# Altium PCB PCB_EUROC_mk2_BGA.PcbDoc (part 2 of 3)
Units mm, origin at the board's own origin, x right, y up, seen from the top; angles counter-clockwise.
Board outline 90 x 100 mm, 4 copper layers (Top Layer, Ground Layer, VCC Layer, Bottom Layer), stack 1.586 mm thick; 139 components, 118 nets, 695 pads, 450 vias.
Unrouted connection lines stored in the file: 72.
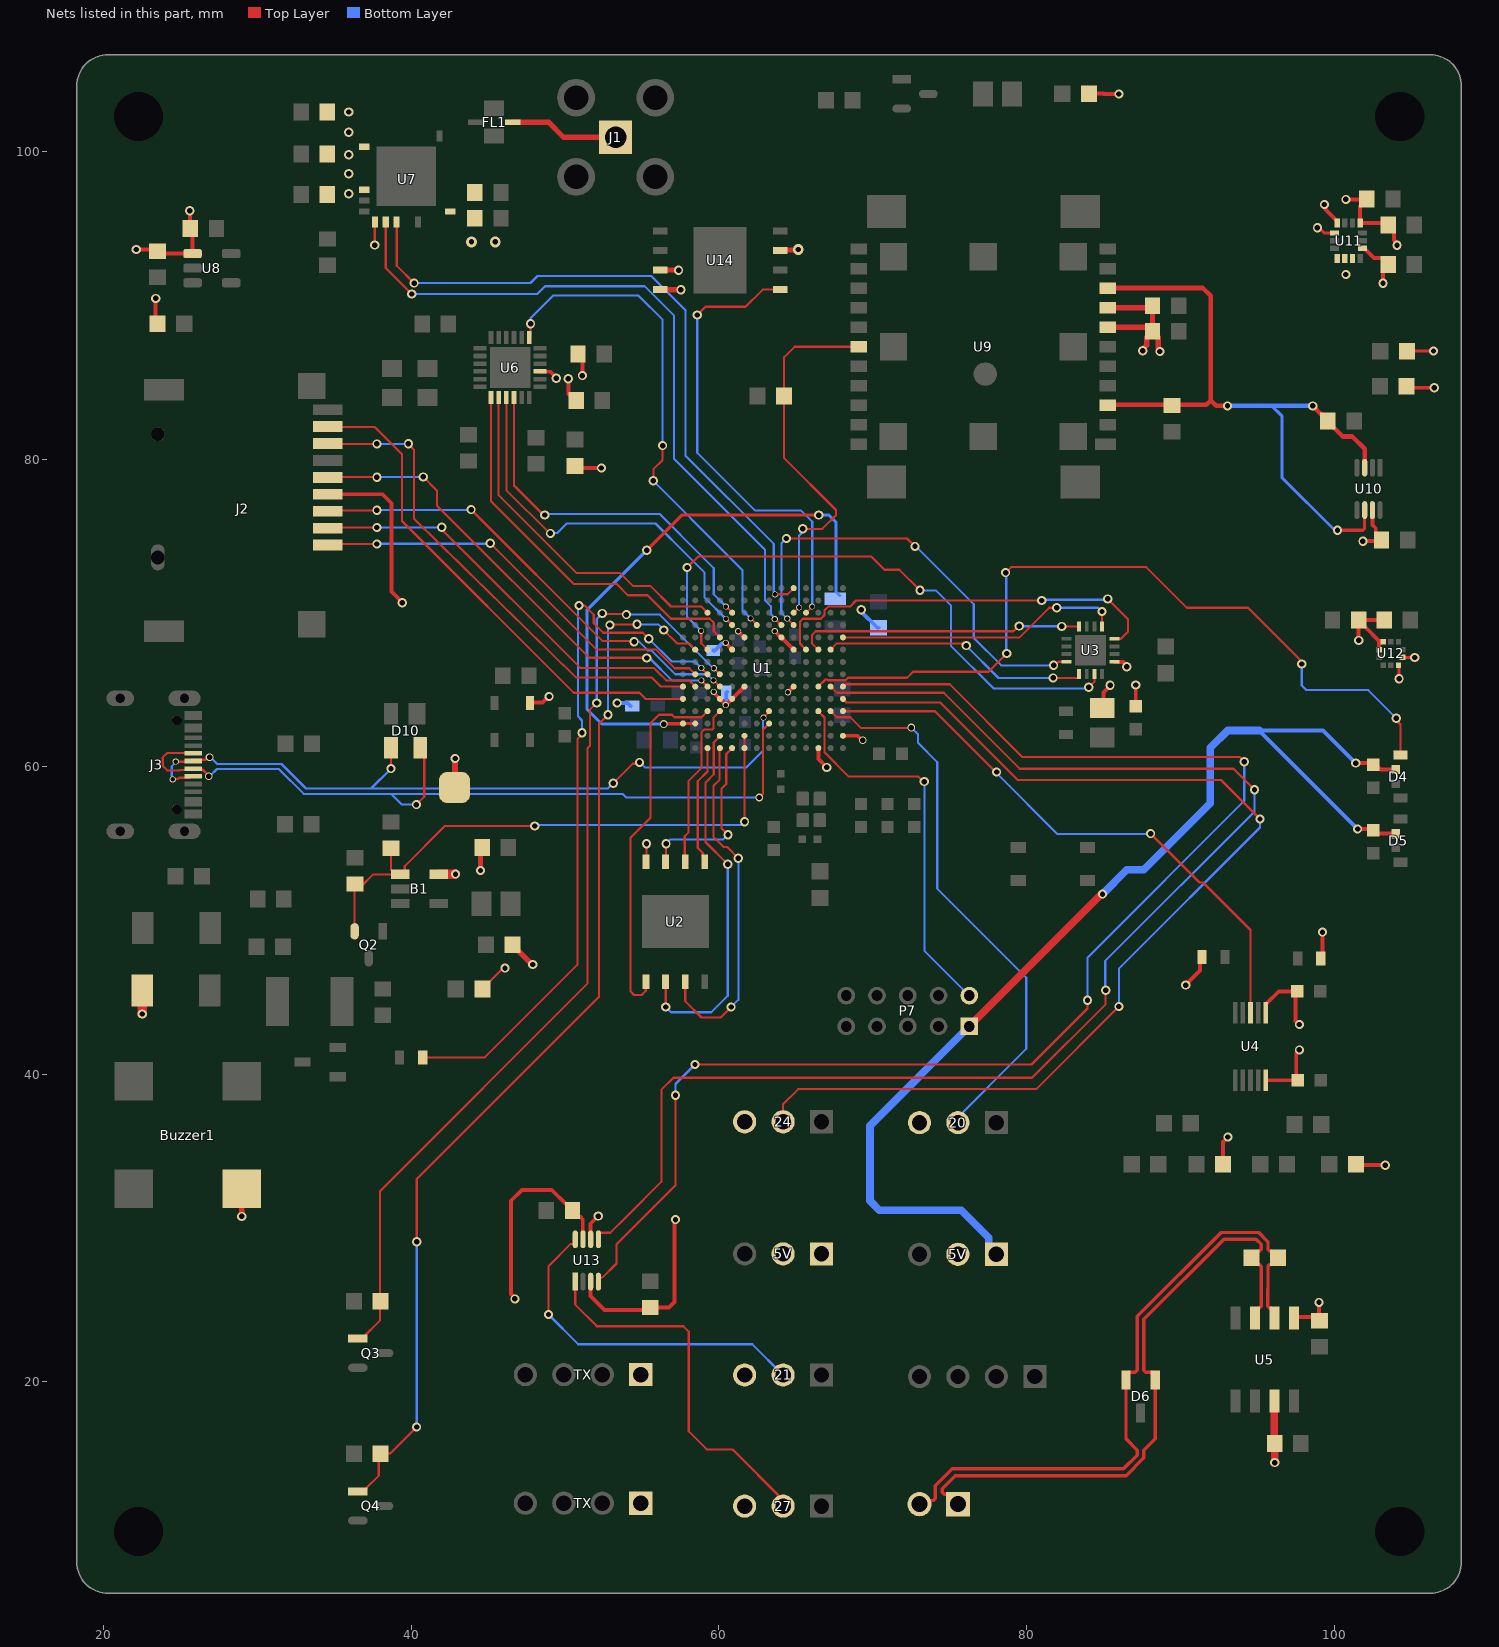
[diagram p4: the nets of this part, all layers, seen from the top]

## Part data
5V 5V: library part CMP-016-000017-4, "Header, 3-Pin", ASiD Part Number="Header 3-AS", Component Type=Standard, Design Item ID="Header 3", Pin Count=3, Source=PCB_Project1.SCHLIB
20 21 24 27: library part CMP-016-000017-2, "Header, 3-Pin", ASiD Part Number="Header 3-AS", Component Type=Standard, Design Item ID="Header 3", Pin Count=3, Source=PCB_Project1.SCHLIB
B1: library part CMP-087-000000-3, "LDO Voltage Regulators 1A Low-IQ Small-Size Low-Dropout (LDO) Regulator 5-SOT-23 -40 to 125", Manufacturer_Name="Texas Instruments", Mouser Part Number=595-TLV75733PDBVR, Arrow Part Number=TLV75733PDBVR, Arrow Price/Stock=https://www.arrow.com/en/products/tlv75733pdbvr/texas-instruments?region=nac, Datasheet Link=http://www.ti.com/lit/gpn/tlv757p, Design Item ID=TLV75733PDBVR, Geometry.Height=1.45mm, Manufacturer_Part_Number=TLV75733PDBVR, Mouser Price/Stock=https://www.mouser.co.uk/ProductDetail/Texas-Instruments/TLV75733PDBVR?qs=y6ZabgHbY%252BwAAzSntTW34w%3D%3D, Source=TLV75733PDBVR.SchLib
Buzzer1: library part CMP-00027-00000-2
C1 C2: library part CMP-001-01078-1, "WCAP-CSRF Multilayer Ceramic Chip Capacitor High Frequency, size 0402, NP0 Class I, 12pF, 50VDC", Capacitance Tolerance=+/-2%, Case/Package=0402, Insulation Resistance=10GOhm, Manufacturer="Wurth Elektronik", Operating Temperature Max=125°C, Operating Temperature Min=-55°C, Rated Voltage (DC)=50V, Category="Multilayer Ceramic Chip Capacitors", Ceramic Type="NP0 Class I", Component Type=Standard, ComponentLink1Description="Website Link", ComponentLink1URL=https://www.we-online.com/redexpert/article/885392005127?ad, ComponentLink2Description="Datasheet Link", ComponentLink2URL=https://www.we-online.com/redexpert/spec/885392005127?ad, Design Item ID=885392005127, Height=0.5mm, Length=1mm, Manufacturer Part Number=885392005127, Match Code=WCAP-CSRF, Mount="Surface Mount", Packaging="Tape and Reel", Pins=2, Q Factor=640, Source=WCAP-CSRF.SchLib, Technical Reference=NP00402120G050DFCT1R000, Width=0.5mm
C3 C4 C6 C9 C11 C16 C19 C21: library part CMP-001-00664-1, "WCAP-CSGP Multilayer Ceramic Chip Capacitor, General Purpose, size 0603, X7R, 220nF, 25VDC", Capacitance Tolerance=+/-10%, Case/Package=0603, Insulation Resistance=2.3GOhm, Manufacturer="Wurth Elektronik", Operating Temperature Max=125°C, Operating Temperature Min=-55°C, Rated Voltage (DC)=25V, Category="Multilayer Ceramic Chip Capacitors", Ceramic Type=X7R, Component Type=Standard, ComponentLink1Description="Website Link", ComponentLink1URL=https://www.we-online.com/redexpert/article/885012206073?ad, ComponentLink2Description="Datasheet Link", ComponentLink2URL=https://www.we-online.com/redexpert/spec/885012206073?ad, Design Item ID=885012206073, Dissipation Factor=3.5%, Height=0.8mm, Length=1.6mm, Manufacturer Part Number=885012206073, Match Code=WCAP-CSGP, Mount="Surface Mount", Packaging="Tape and Reel", Pins=2, Source=WCAP-CSGP.SchLib, Technical Reference=X7R0603224K025DFCT10000, Width=0.8mm
C5 C13: library part CMP-015-000000-1, "None polar capacitor", ASiD Part Number=C-AS, Volte=50v, Component Type=Standard, Design Item ID="Cap ceramic", Pin Count=2, Source=PCB_Project1.SCHLIB
C7 C25 C26 C27 C28 C29 C30 C31 C32 C33 C34 C35 C36 C37 C38 C39 C40 C41 C42 C43 C44 C45 C46 C47 C48 C49 C50 C51 C52 C53 C54 C55 C56: library part CMP-015-000000-1, "None polar capacitor", ASiD Part Number=C-AS, Component Type=Standard, Design Item ID="Cap ceramic", Pin Count=2, Source=PCB_Project1.SCHLIB
C8 C12 C18 C20: library part CMP-001-00440-1, "WCAP-CSGP Multilayer Ceramic Chip Capacitor, General Purpose, size 0603, X5R, 4.7uF, 10VDC", Capacitance Tolerance=+/-20%, Case/Package=0603, Insulation Resistance=0.02GOhm, Manufacturer="Wurth Elektronik", Operating Temperature Max=85°C, Operating Temperature Min=-55°C, Rated Voltage (DC)=10V, Category="Multilayer Ceramic Chip Capacitors", Ceramic Type=X5R, Component Type=Standard, ComponentLink1Description="Website Link", ComponentLink1URL=https://www.we-online.com/redexpert/article/885012106012?ad, ComponentLink2Description="Datasheet Link", ComponentLink2URL=https://www.we-online.com/redexpert/spec/885012106012?ad, Design Item ID=885012106012, Dissipation Factor=10%, Height=0.8mm, Length=1.6mm, Manufacturer Part Number=885012106012, Match Code=WCAP-CSGP, Mount="Surface Mount", Packaging="Tape and Reel", Pins=2, Source=WCAP-CSGP.SchLib, Technical Reference=X5R0603475M010DFCT10000, Width=0.8mm
C10: library part CMP-001-00655-1, "WCAP-CSGP Multilayer Ceramic Chip Capacitor, General Purpose, size 0603, X7R, 10nF, 25VDC", Capacitance Tolerance=+/-10%, Case/Package=0603, Insulation Resistance=10GOhm, Manufacturer="Wurth Elektronik", Operating Temperature Max=125°C, Operating Temperature Min=-55°C, Rated Voltage (DC)=25V, Category="Multilayer Ceramic Chip Capacitors", Ceramic Type=X7R, Component Type=Standard, ComponentLink1Description="Website Link", ComponentLink1URL=https://www.we-online.com/redexpert/article/885012206065?ad, ComponentLink2Description="Datasheet Link", ComponentLink2URL=https://www.we-online.com/redexpert/spec/885012206065?ad, Design Item ID=885012206065, Dissipation Factor=3.5%, Height=0.8mm, Length=1.6mm, Manufacturer Part Number=885012206065, Match Code=WCAP-CSGP, Mount="Surface Mount", Packaging="Tape and Reel", Pins=2, Source=WCAP-CSGP.SchLib, Technical Reference=X7R0603103K025DFCT10000, Width=0.8mm
C14 C15 C17 C22: library part CMP-001-00661-1, "WCAP-CSGP Multilayer Ceramic Chip Capacitor, General Purpose, size 0603, X7R, 100nF, 25VDC", Capacitance Tolerance=+/-10%, Case/Package=0603, Insulation Resistance=5GOhm, Manufacturer="Wurth Elektronik", Operating Temperature Max=125°C, Operating Temperature Min=-55°C, Rated Voltage (DC)=25V, Category="Multilayer Ceramic Chip Capacitors", Ceramic Type=X7R, Component Type=Standard, ComponentLink1Description="Website Link", ComponentLink1URL=https://www.we-online.com/redexpert/article/885012206071?ad, ComponentLink2Description="Datasheet Link", ComponentLink2URL=https://www.we-online.com/redexpert/spec/885012206071?ad, Design Item ID=885012206071, Dissipation Factor=3.5%, Height=0.8mm, Length=1.6mm, Manufacturer Part Number=885012206071, Match Code=WCAP-CSGP, Mount="Surface Mount", Packaging="Tape and Reel", Pins=2, Source=WCAP-CSGP.SchLib, Technical Reference=X7R0603104K025DFCT10000, Width=0.8mm
C23 C24: library part CMP-015-000000-1, "Capacitor, 100nF, 0603, 25V", Manufacturer="Wurth Elektronik", Manufacturer Part Number=885012206071, Voltage=25V
CAN_N: library part CMP-016-000011-2, "Header, 2-Pin", Manufacturer=JST, Manufacturer Part Number=XH-2P-M
D1 D9: library part LED, "Typical INFRARED GaAs LED", ASiD Part Number=LED-AS
D2 D3: library part CMP-100-000001-2, "BAT54HGW Schotty Diode", Component Type=Standard, Design Item ID=BAT54HGW, Pin Count=2, Source=BAT54W.SchLib
D4 D5: library part CMP-004-00012-1, "WL-ICLED Integrated Controller within LED, Side View 3210, 5.5mA", Case/Package="Side View 3210", Emitting Color="Green & Red & Blue", Frequency of the PWM=5kHz, IC Output Current=5.5mA, Manufacturer="Wurth Elektronik", Manufacturer Part Number=1313210530000, Operating Temperature Max=85°C, Operating Temperature Min=-40°C, Category="IC LEDs", Component Type=Standard, ComponentLink1Description="Website Link", ComponentLink1URL=https://www.we-online.com/redexpert/article/1313210530000?ad, ComponentLink2Description="Datasheet Link", ComponentLink2URL=https://www.we-online.com/redexpert/spec/1313210530000?ad, Design Item ID=1313210530000, Dominant Wavelength (Blue)=470nm, Dominant Wavelength (Green)=525nm, Dominant Wavelength (Red)=625nm, Height=1mm, Length=3.2mm, Luminous Intensity (Blue)=50mcd, Luminous Intensity (Green)=120mcd, Luminous Intensity (Red)=80mcd, Match Code=WL-ICLED, Mount="Surface Mount", Packaging="Tape and Reel", Peak Wavelength (Blue)=465nm, Peak Wavelength (Green)=520nm, Peak Wavelength (Red)=630nm, Pins=4, Source=WL-ICLED.SchLib, Viewing Angle=120°, Width=1.5mm
D6: library part CMP-004-00006-2, "Supresor de ESD / diodos TVS 27V CAN BUS Protection", Case/Package=None, Manufacturer=Onsemi, Manufacturer Part Number=NUP2105LT1G, Pins=3
D7 D8: library part CMP-004-00003-1, "PMEG3050EP-Q - 30 V, 5 A low VF MEGA Schottky barrier rectifier"
D10: library part CMP-004-00005-1, "Trans Voltage Suppressor Diode, 5.5V V(RWM), Unidirectional, 3 Element, Silicon, TO-253AA", Pins=4, RoHS Compliant=Yes
D11: library part CMP-019-000005-1, "Typical INFRARED GaAs LED", ASiD Part Number=LED-AS, Component Type=Standard, Design Item ID=LED, Pin Count=2, Source=PCB_Project1.SCHLIB
F1: library part CMP-043-000000-2, "Polymeric PTC Resettable Fuse 15V 500mA Ih Surface Mount 1812 (4532 Metric), Concave", Package="1812 Bourns", Availability=Good, Check_prices=https://www.snapeda.com/parts/MF-MSMF050-2/Bourns%20-%20J.W.%20Miller/view-part/42625/?ref=eda, Design Item ID=MF-MSMF050-2, MF=Bourns, MP=MF-MSMF050-2, Price=None, Purchase-URL=https://pricing.snapeda.com/search/part/MF-MSMF050-2/?ref=eda, SnapEDA_Link=https://www.snapeda.com/parts/MF-MSMF050-2/Bourns%20-%20J.W.%20Miller/view-part/42625/?ref=snap, Source=LEEM.SchLib
FL1: library part CMP-00025-00001-1, "Band Pass Filter", RoHS Compliant=Yes
J1: library part CMP-002-00007-2, "CONNSMAJACKR/A50OHMPCB"
J2: library part CMP-002-00279-1, "WR-CRD Micro SD Card Connector Push & Push", Contact Resistance=100mOhm, Manufacturer="Wurth Elektronik", Operating Temperature Max=85°C, Operating Temperature Min=-40°C, Rated Current=0.5A, Withstanding Voltage=500VAC, Working Voltage=30VAC, Category="Input/Output Connectors", Component Type=Standard, ComponentLink1Description="Website Link", ComponentLink1URL=https://www.we-online.com/redexpert/article/693071020811?ad, ComponentLink2Description="Datasheet Link", ComponentLink2URL=https://www.we-online.com/redexpert/spec/693071020811?ad, Design Item ID=693071020811, Gender=Socket, Manufacturer Part Number=693071020811, Match Code=WR-CRD, Mount="Surface Mount", Packaging="Tape and Reel", Pin Count=13, Pins=8, Source=WR-CRD.SchLib, Type="Push & Push"
J3: library part CMP-133-000027-1, "WR-COM USB 2.0 Type C Receptacle Horizontal SMT", Manufacturer="Wurth Elektronik", Operating Temperature Max=85°C, Operating Temperature Min=-40°C, Rated Current=5A, Working Voltage="20V (DC)", Application="USB 2.0", Category="Input/Output Connectors", Component Type=Standard, ComponentLink1Description="Website Link", ComponentLink1URL=https://www.we-online.com/redexpert/article/629722000214?ad, ComponentLink2Description="Datasheet Link", ComponentLink2URL=https://www.we-online.com/redexpert/spec/629722000214?ad, Design Item ID=629722000214, Gender=Receptacle, Interface Type="Type C", Manufacturer Part Number=629722000214, Match Code=WR-USB, Mount="Surface Mount", Number of Pins=16, Number of Ports=1, Orientation=Horizontal, Packaging="Tape and Reel", Pin Count=13, Source=WR-USB.SchLib
L1: library part CMP-006-00205-1, "WE-PMI SMT Power Multilayer Inductor, size 0805, 4.7µH, 0.85A, 312.5mO", Case/Package=0805, DC Resistance=312.5mO, Inductance=4.7µH, Inductance Tolerance=20%, Manufacturer="Wurth Elektronik", Operating Temperature Max=125°C, Operating Temperature Min=-40°C, Rated Current=0.85A, Saturation Current=0.25A, Self Resonant Frequency=30MHz, Category="Shielded Power Inductors", Component Type=Standard, ComponentLink1Description="Website Link", ComponentLink1URL=https://www.we-online.com/redexpert/article/74479775247?ad, ComponentLink2Description="Datasheet Link", ComponentLink2URL=https://www.we-online.com/redexpert/spec/74479775247?ad, Design Item ID=74479775247, Height=1mm, Length=2mm, Manufacturer Part Number=74479775247, Match Code=WE-PMI, Mount="Surface Mount", Packaging="Tape and Reel", Pins=2, Q Factor=25, Source=WE-PMI.SchLib, Type="Low RDC", Width=1.2mm
L2: library part CMP-006-00120-1, "WE-CBF SMT EMI Suppression Ferrite Bead, size 0603, 120Ohm, 2A", Case/Package=0603, DC Resistance Max=0.05Ohm, Manufacturer="Wurth Elektronik", Operating Temperature Max=125°C, Operating Temperature Min=-55°C, Rated Current=2A, Category="Ferrites for PCB Assembly", Component Type=Standard, ComponentLink1Description="Website Link", ComponentLink1URL=https://www.we-online.com/redexpert/article/742792625?ad, ComponentLink2Description="Datasheet Link", ComponentLink2URL=https://www.we-online.com/redexpert/spec/742792625?ad, Design Item ID=742792625, Height=0.8mm, Impedance @100MHz=120Ohm, Impedance Max=180Ohm, Impedance Max Test Condition=400MHz, Length=1.6mm, Manufacturer Part Number=742792625, Match Code=WE-CBF, Mount="Surface Mount", Packaging="Tape and Reel", Pins=2, Source=WE-CBF.SchLib, Type="High Current", Width=0.8mm
L3: library part CMP-021-000000-1, "Inductor", ASiD Part Number=Inductor-AS, Current=1A, Component Type=Standard, Design Item ID=Inductor, Pin Count=2, Source=PCB_Project1.SCHLIB
P7: library part CMP-002-00001-2, "Connector", Manufacturer_Name=Harwin, Mouser Part Number=855-M80-5001022, Datasheet Link=https://cdn.harwin.com/pdfs/M80-500.pdf, Design Item ID=M80-5001022, Height=5.6mm, Manufacturer_Part_Number=M80-5001022, Mouser Price/Stock=https://www.mouser.co.uk/ProductDetail/Harwin/M80-5001022?qs=Epf5S32jonjHqF%252BzRUQhDQ%3D%3D, Source=SamacSys.SchLib
PB1: library part CMP-010-000001-2, "Push Button", Component Type=Standard, Design Item ID="Push Button", Pin Count=2, Source=IFS_Altium.SchLib
Q1: library part CMP-013-00004-1, "Trans GP BJT NPN 45V 0.5A 500mW Automotive 3-Pin SOT-23 T/R", Case/Package=SOT, Max Operating Temperature=150°C, Pins=3, RoHS Compliant=Yes
Q2: library part CMP-013-00002-1, "P-Channel 20 V 52 mOhm Surface Mount Enhancement Mode Mosfet - SOT-23-3", Case/Package=SOT-23, Max Operating Temperature=150°C, Min Operating Temperature=-55°C, Mounting Technology="Surface Mount", Pins=3, RoHS Compliant=Yes
Q3 Q4: library part CMP-013-00010-1, "Power Field-Effect Transistor, 6.3A I(D), 20V, 0.021ohm, 1-Element, N-Channel, Silicon, Metal-oxide Semiconductor FET, TO-236AB", Max Operating Temperature=150°C, Pins=3, RoHS Compliant=Yes
Q5: library part CMP-013-00007-1, "Small Signal Field-Effect Transistor, 0.115A I(D), 60V, 1-Element, N-Channel, Silicon, Metal-oxide Semiconductor FET, TO-236"
R1 R3: library part R, "Resistor, generic"
R2: library part CMP-009-00390-1, "WRIS-RSKS Thick Film Resistor, size 0603, 470Ohm, 100mW", Case/Package=0603, Limiting Element Voltage=75V, Manufacturer="Wurth Elektronik", Operating Temperature Max=155°C, Operating Temperature Min=-55°C, Rated Power=100mW, Resistance Tolerance=+/-1%, Temperature Coefficient of Resistance Max=100ppm/°C, Temperature Coefficient of Resistance Min=-100ppm/°C, Category="Thick Film Resistors", Component Type=Standard, ComponentLink1Description="Website Link", ComponentLink1URL=https://www.we-online.com/redexpert/article/560112116067?ad, ComponentLink2Description="Datasheet Link", ComponentLink2URL=https://www.we-online.com/redexpert/spec/560112116067?ad, Design Item ID=560112116067, Height=0.45mm, Length=1.6mm, Manufacturer Part Number=560112116067, Match Code=WRIS-RSKS, Mount="Surface Mount", Packaging="Tape and Reel", Pins=2, Source=WRIS-RSKS.SchLib, Width=0.8mm
R4: library part CMP-009-00420-1, "WRIS-RSKS Thick Film Resistor, size 0603, 180Ohm, 100mW", Case/Package=0603, Limiting Element Voltage=75V, Manufacturer="Wurth Elektronik", Operating Temperature Max=155°C, Operating Temperature Min=-55°C, Rated Power=100mW, Resistance Tolerance=+/-5%, Temperature Coefficient of Resistance Max=100ppm/°C, Temperature Coefficient of Resistance Min=-100ppm/°C, Category="Thick Film Resistors", Component Type=Standard, ComponentLink1Description="Website Link", ComponentLink1URL=https://www.we-online.com/redexpert/article/560112116097?ad, ComponentLink2Description="Datasheet Link", ComponentLink2URL=https://www.we-online.com/redexpert/spec/560112116097?ad, Design Item ID=560112116097, Height=0.45mm, Length=1.6mm, Manufacturer Part Number=560112116097, Match Code=WRIS-RSKS, Mount="Surface Mount", Packaging="Tape and Reel", Pins=2, Source=WRIS-RSKS.SchLib, Width=0.8mm
R5 R9 R10 R12: library part CMP-009-000000-3, "Resistor, 600R, 0805, 0.5W", Manufacturer=Vishay, Manufacturer Part Number=CRCW0805600RFKEAHP, Power Disipation=0.5W
R6: library part CMP-009-000000-3, "Resistor, 120R, 0805, 0.5W", Manufacturer=Panasonic, Manufacturer Part Number=ERJ-P06F1200V, Power Disipation=0.25W
R7 R8: library part CMP-009-00361-1, "WRIS-RSKS Thick Film Resistor, size 0603, 1500Ohm, 100mW", Case/Package=0603, Limiting Element Voltage=75V, Manufacturer="Wurth Elektronik", Operating Temperature Max=155°C, Operating Temperature Min=-55°C, Rated Power=100mW, Resistance Tolerance=+/-1%, Temperature Coefficient of Resistance Max=100ppm/°C, Temperature Coefficient of Resistance Min=-100ppm/°C, Category="Thick Film Resistors", Component Type=Standard, ComponentLink1Description="Website Link", ComponentLink1URL=https://www.we-online.com/redexpert/article/560112116038?ad, ComponentLink2Description="Datasheet Link", ComponentLink2URL=https://www.we-online.com/redexpert/spec/560112116038?ad, Design Item ID=560112116038, Height=0.45mm, Length=1.6mm, Manufacturer Part Number=560112116038, Match Code=WRIS-RSKS, Mount="Surface Mount", Packaging="Tape and Reel", Pins=2, Source=WRIS-RSKS.SchLib, Width=0.8mm
R11 R13 R20 R21: library part CMP-009-000000-3, "Resistor, generic", Manufacturer=Panasonic, Manufacturer Part Number=ERJ-P06F1200V, Power Disipation=0.25W
R14 R15 R16 R17 R18 R19 R22 R23 R24 R25 R26 R27 R28: library part CMP-009-000000-6, "Resistor, generic", Component Type=Standard, Design Item ID=R, Pin Count=2, Source=Resistors.SchLib
SDA_P: library part CMP-016-000019-3, "Header, 4-Pin", ASiD Part Number="Header 4-AS", Component Type=Standard, Design Item ID="Header 4", Pin Count=4, Source=PCB_Project1.SCHLIB
TP1: library part CMP-028-000000-1, "Test point", ASiD Part Number="Test Point-AS", Component Type="Standard (No BOM)", Design Item ID="Test Point", Pin Count=1, Source=PCB_Project1.SCHLIB
TX TX: library part CMP-016-000019-4, "Header, 4-Pin", ASiD Part Number="Header 4-AS", Component Type=Standard, Design Item ID="Header 4", Pin Count=4, Source=PCB_Project1.SCHLIB
U1: library part CMP-072-000002-2, "IC MCU 32BIT EXT MEM 196MAPBGA", Manufacturer_Name=NXP, Mouser Part Number=771-MIMXRT1062DVJ6B, Arrow Part Number=MIMXRT1062DVJ6B, Arrow Price/Stock=https://www.arrow.com/en/products/mimxrt1062dvj6b/nxp-semiconductors?region=nac, Datasheet Link=https://www.nxp.com/docs/en/nxp/data-sheets/IMXRT1060CEC.pdf, Design Item ID=MIMXRT1062DVJ6B, Geometry.Height=1.52mm, Manufacturer_Part_Number=MIMXRT1062DVJ6B, Mouser Price/Stock=https://www.mouser.co.uk/ProductDetail/NXP-Semiconductors/MIMXRT1062DVJ6B?qs=BJlw7L4Cy7%252B08A9rbTO5WQ%3D%3D, Source=MIMXRT1062DVJ6B.SchLib
U2 U14: library part CMP-078-000000-4, "NOR Flash spiFlash, 64M-bit, DTR, 4Kb Uniform Sector", Arrow Part Number="W25Q64JVXGIM TR", Manufacturer_Name=Winbond, Mouser Part Number=454-W25Q64JVXGIMTR, Arrow Price/Stock=https://www.arrow.com/en/products/w25q64jvxgim-tr/winbond-electronics?region=nac, Datasheet Link=https://www.winbond.com/resource-files/w25q64jv_dtr%20revj%2003272018%20plus.pdf, Design Item ID=W25Q64JVXGIM_TR, Geometry.Height=0.5mm, Manufacturer_Part_Number="W25Q64JVXGIM TR", Mouser Price/Stock=https://www.mouser.co.uk/ProductDetail/Winbond/W25Q64JVXGIM-TR?qs=qSfuJ%252Bfl%2Fd5DYf7S8uijYQ%3D%3D, Source=W25Q64JVXGIM_TR.SchLib
U3: library part CMP-068-000000-2, "ARMÂ®CortexÂ®-M0+ Kinetis KL02å¾®æŽ§åˆ¶å™¨IC 32ä½48MHz 32KBï¼ˆ32K x 8ï¼‰é—ªå­˜16-QFNï¼ˆ3x3ï¼‰", Package="QFN-16 NXP Semiconductors", Availability=Unavailable, Component Type=Standard, Design Item ID=MKL02Z32VFG4, MF="NXP USA", MP=MKL02Z32VFG4, Pin Count=17, Price=None, SnapEDA_Link=https://www.snapeda.com/parts/MKL02Z32VFG4/NXP%20USA%20Inc./view-part/492537/?ref=snap, Source=SnapEDAsch.SchLib
U4: library part CMP-00024-00001-1, "2 Channel  I2C-busbuffer", Manufacturer="NXP Semiconductors", Manufacturer Part Number=PCA9615DPZ
U5: library part CMP-00024-00000-3, "Interfaz CI CAN CAN FD Transceiver with Silent Mode", Manufacturer="Microchip Technology", Manufacturer Part Number=MCP2558FD-H/SN
U6: library part CMP-00025-00000-6, "Telecom Circuit", RoHS Compliant=Yes
U7: library part CMP-014-00003-3, "RF and Baseband Circuit", Case/Package=QCCN, Max Operating Temperature=85°C, Min Operating Temperature=-40°C, Nominal Supply Voltage=3.3V, Channels=1, Pins=28, RoHS Compliant=Yes
U8: library part CMP-012-00003-1, "300-mA, ultra-low-noise, low-IQ, low-dropout (LDO) linear regulator with high PSRR 5-SOT-23 -40 to 125"
U9: library part CMP-00025-00002-3, "GPSS, Galileo, Beidou & Glonass Rohs Compliant: Yes"
U10 U13: library part CMP-016-00000-1, "Interface Circuit, PDSO8", Case/Package=VSSOP, Max Operating Temperature=85°C, Max Supply Voltage=3.6V, Min Operating Temperature=-40°C, Min Supply Voltage=1.2V, Nominal Supply Voltage=1.5V, Pins=8, RoHS Compliant=Yes
U11: library part CMP-010-00001-1, "WSEN-ISDS IMU 6-axis (Inertial measurement unit)"
U12: library part CMP-010-00002-1, "Piezoresistive Sensor, Absolute pressure sensor", RoHS Compliant=Yes
Y1: library part CMP-003-00028-1, "Crystal, 24 MHz, +/- 10 ppm, -20 to 75 degC, 4-Pin SMD, RoHS, Tape and Reel", Case/Package=SMD/SMT, Load Capacitance=12pF, Max Operating Temperature=75°C, Min Operating Temperature=-20°C, ESR=80, Frequency=24MHz, Mounting Technology=SMT, Pins=4, RoHS Compliant=Yes
Y2: library part CMP-003-00000-1, "Crystals 52.000 MHz 12 pF ECS-33B +/-7/15 ppm -40 - +85C +/-1 ppm Aging 3225 4-SMD RoHS"

## Free pads (board coordinates)
  round 1.524 hole 3.2: 2(22.262,10.273) 2(22.262,102.273) 2(104.262,10.273) 2(104.262,102.273)

## Via types
v1: diameter 0.6, hole 0.35, Top Layer to Bottom Layer, 294 vias
v2: diameter 0.6, hole 0.4, Top Layer to Bottom Layer, 60 vias
v3: diameter 0.4, hole 0.3, Top Layer to Bottom Layer, 58 vias
v4: diameter 0.7, hole 0.35, Top Layer to Bottom Layer, 18 vias
v5: diameter 0.5, hole 0.35, Top Layer to Bottom Layer, 15 vias
v6: diameter 0.35, hole 0.25, Top Layer to Bottom Layer, 5 vias

## Nets (pads, with @x,y where several pads share a name; then routed paths per layer and width w, separated by ;. In a path a pad name is that pad's centre, name@x,y a point inside that pad or via, vN(x,y) a via of type N, cw(c..) or ccw(c..) an arc to the next point about the centre after c; other vN are vias at no path point)
1V8: C45.2 C47.2 U9.3 U9.9 U10.3 U10.6 | length 46.4
  Top Layer w0.2: v1(100.218,75.372) 101.864,75.372 101.981,75.489 U10.6@101.981,76.683
  Top Layer w0.3: U9.9@85.415,91.116 91.459,91.116 91.97,90.605 91.97,83.805 ; U9.3@85.416,83.496 85.442,83.521 91.686,83.521 91.97,83.805 ; C47.2@89.197,83.445 C47.2@89.35,83.445 ; C47.2@89.197,83.47 C47.2@89.481,83.754 ; v1(93.066,83.452) 92.329,83.452 91.977,83.805 91.97,83.805 ; v1(98.61,83.452) 99.142,82.921 99.192,82.921 99.592,82.521 C45.2@99.592,82.471 99.592,82.421 100.547,81.466 101.173,81.466 101.981,80.657 U10.3@101.981,79.434
  Bottom Layer w0.2: 95.838,83.452 95.948,83.452 96.596,82.804 96.596,78.802 99.95,75.449 100.141,75.449 v1(100.218,75.372)
  Bottom Layer w0.3: v1(93.066,83.452) 95.838,83.452 ; 95.948,83.452 v1(98.61,83.452)
2: Q4.1 R21.1 U1.F2 | length 70.6
  Top Layer w0.14: Q4.1@36.524,12.886 36.895,12.886 37.091,13.082 37.091,13.113 37.889,13.912 R21.1@37.889,15.545 ; R21.1@37.864,15.342 37.864,15.764 R21.1@37.873,15.773 ; R21.1@37.898,15.342 38.621,15.342 v1(40.348,17.069) ; v1(40.361,29.108) 40.361,33.193 52.194,45.026 52.194,62.775 v1(52.792,63.374) ; v1(52.915,69.213) 52.935,69.233 54.656,69.233 v1(54.676,69.253) ; v1(56.419,68.882) 56.419,68.872 57.278,68.013 58.056,68.013 U1.F2@58.462,67.607
  Bottom Layer w0.14: v1(40.348,17.069) 40.354,17.075 40.354,29.102 v1(40.361,29.108) ; v1(52.792,63.374) 52.792,69.009 52.915,69.132 v1(52.915,69.213) ; v1(54.676,69.253) 56.048,69.253 v1(56.419,68.882)
5: R4.1 U1.H3 | length 46.5
  Top Layer w0.14: R4.1@40.992,41.103 44.786,41.103 50.8,47.117 50.8,61.791 51.101,62.092 v1(51.101,62.21) ; v1(50.906,70.481) 51.271,70.481 51.868,69.885 51.868,69.322 52.481,68.709 55.053,68.709 v1(55.445,68.317) ; v3(58.855,66.411) 58.857,66.411 U1.H3@59.262,66.007 U1.H3@59.262,66.007
  Bottom Layer w0.14: v1(50.906,70.481) 50.849,70.424 50.849,70.285 50.836,70.273 50.836,63.269 51.101,63.004 v1(51.101,62.21) ; v1(55.445,68.317) 56.929,66.833 58.433,66.833 v3(58.855,66.411)
17: D4.4 U1.J12 | length 51.9
  Top Layer w0.14: U1.J12@66.462,65.207 66.925,65.671 67.041,65.671 67.099,65.613 68.225,65.613 68.395,65.784 72.238,65.784 72.62,66.167 77.521,66.167 v1(78.714,67.359) ; v1(78.638,72.619) 78.648,72.619 79.004,72.974 87.782,72.974 90.424,70.333 94.397,70.333 97.892,66.838 v1@97.892,66.726 ; D4.4@103.935,60.989 104.165,60.759 D4.4@104.315,60.759 104.315,62.743 104.038,63.02 v1(104.038,63.144)
  Bottom Layer w0.14: v1(78.638,72.619) 78.676,72.581 78.676,67.397 v1(78.714,67.359) ; v1(97.892,66.675) 97.892,65.278 98.196,64.973 102.21,64.973 v1(104.038,63.144)
20: 20.2 U1.L13 | length 36.6
  Top Layer w0.14: U1.L13@67.262,63.607 67.653,63.216 67.896,63.216 67.899,63.213 68.225,63.213 68.227,63.216 68.536,63.216 69.246,62.506 72.479,62.506 v5(72.514,62.541)
  Bottom Layer w0.14: v5(72.514,62.541) 72.945,62.109 72.945,61.545 74.193,60.297 74.193,52.072 79.981,46.285 79.981,41.662 75.181,36.861 20.2@75.181,36.963
21: U1.J13 U13.5 | length 90.8
  Top Layer w0.14: U13.5@52.264,29.692 52.272,29.7 52.942,29.7 54.025,30.783 56.26,33.018 56.26,33.455 ; 56.26,33.476 56.26,38.987 57.048,39.775 80.355,39.775 85.141,44.561 v1(85.141,45.465) ; U1.J13@67.262,65.207 67.669,64.801 74.622,64.801 79.562,59.862 93.455,59.862 v1(94.815,58.502)
  Bottom Layer w0.14: v1(85.141,45.465) 85.112,45.494 85.112,47.377 94.815,57.08 v1(94.815,58.502)
"21 5V": 21.2 U13.8 | length 22.6
  Top Layer w0.14: v1(48.92,24.384) 48.92,27.533 50.367,28.979 50.572,28.979 50.663,29.07 U13.8@50.663,29.275
  Bottom Layer w0.14: v1(48.92,24.384) 50.851,22.454 62.171,22.454 21.2@64.172,20.453
24: 24.2 U1.K14 | length 71.9
  Top Layer w0.14: 24.2@64.172,36.912 64.172,38.06 65.15,39.038 80.634,39.038 v1(86.001,44.405) ; U1.K14@68.062,64.407 68.292,64.177 74.383,64.177 79.428,59.131 92.641,59.131 v1(95.176,56.597)
  Bottom Layer w0.14: v1(86.001,44.405) 86.001,46.869 95.176,56.043 v1(95.176,56.597)
25: U1.L14 U4.3 | length 37.8
  Top Layer w0.14: U1.L14@68.062,63.607 74.042,63.607 77.999,59.651 v1(78.054,59.651) ; v1(88.062,55.651) 91.24,52.473 91.471,52.473 94.561,49.383 U4.3@94.561,44.014
  Bottom Layer w0.14: v1(78.054,59.651) 78.054,59.565 81.994,55.626 88.036,55.626 v1(88.062,55.651)
27: U1.J14 U13.4 | length 92.3
  Top Layer w0.14: U13.4@52.163,26.523 52.163,26.674 52.272,26.783 52.423,26.783 53.346,27.706 53.346,28.96 57.175,32.789 v1(57.175,38.632) ; v1(58.445,40.638) 80.32,40.638 83.959,44.278 v1(83.959,44.818) ; U1.J14@68.062,65.207 68.131,65.207 68.277,65.354 75.004,65.354 79.73,60.628 93.852,60.628 v1(94.157,60.323)
  Bottom Layer w0.14: v1(57.175,38.632) 57.175,39.368 v1(58.445,40.638) ; v1(83.959,44.818) 83.959,47.587 94.157,57.784 v1(94.157,60.323)
"27 5V": 27.2 U13.1 | length 24.5
  Top Layer w0.14: U13.1@50.663,26.523 50.663,25.027 52.069,23.62 ; 52.052,23.62 57.683,23.62 58.038,23.265 58.038,16.788 59.207,15.619 60.883,15.619 64.172,12.331 27.2@64.172,11.931
28: U1.D5 U6.9 | length 25.8
  Top Layer w0.14: U6.9@46.182,83.996 46.182,77.979 48.994,75.167 v1(49.047,75.167) ; v3(60.459,69.604) 60.465,69.604 U1.D5@60.862,69.207
  Bottom Layer w0.14: v1(49.047,75.167) 49.06,75.18 49.475,75.18 50.101,75.806 55.879,75.806 57.999,73.686 59.055,72.63 59.055,71.008 v3(60.459,69.604)
29: U1.C5 U6.10 | length 24.4
  Top Layer w0.14: U6.10@46.682,83.996 46.682,78.28 48.597,76.364 v1(48.677,76.364) ; v3@60.459,70.407 60.859,70.007 U1.C5@60.862,70.007
  Bottom Layer w0.14: v1(48.677,76.364) 48.749,76.437 56.133,76.437 58.883,73.686 59.661,72.908 59.661,71.202 v3(60.456,70.407)
30: U1.E4 U6.7 | length 25.6
  Top Layer w0.14: U6.7@45.182,83.996 45.182,77.26 50.568,71.873 53.356,71.873 54.084,71.146 55.356,71.146 56.888,69.613 59.413,69.613 59.656,69.371 59.656,69.342 59.662,69.336 59.662,68.807 60.052,68.417 60.062,68.417 U1.E4@60.062,68.407
31: U1.C3 U6.8 | length 23.1
  Top Layer w0.14: U6.8@45.682,83.996 45.682,77.648 50.731,72.599 53.563,72.599 54.406,71.756 55.534,71.756 56.883,70.407 58.862,70.407 U1.C3@59.262,70.007
32: R28.1 U1.C10 U9.17 | length 25
  Top Layer w0.14: U1.C10@64.868,70.007 64.868,70.013 64.875,70.013 65.209,70.347 v3(65.216,70.347) ; v1(65.455,75.462) 66.724,75.462 67.615,76.352 67.615,76.683 64.237,80.06 R28.1@64.237,84.098 64.237,86.615 64.923,87.3 U9.17@69.09,87.3
  Bottom Layer w0.14: v3(65.216,70.347) 65.216,75.033 65.367,75.184 65.367,75.374 v1(65.455,75.462)
33: Q3.1 R20.1 U1.H4 | length 63.3
  Top Layer w0.14: Q3.1@36.372,22.825 36.792,22.825 37.973,24.006 37.973,32.42 51.466,45.912 51.466,61.219 51.609,61.363 51.609,63.697 v1(52.054,64.142) ; v1(52.419,69.964) 52.459,69.924 53.945,69.924 v1(53.985,69.885) ; v3(59.674,66.401) 59.674,66.398 60.062,66.011 U1.H4@60.062,66.007
  Bottom Layer w0.14: v1(52.054,64.142) 52.054,69.6 v1(52.419,69.964) ; v1(53.985,69.885) 56.151,69.885 59.634,66.401 v3(59.674,66.401)
40: P7.6 U1.L12 | length 25.2
  Top Layer w0.14: U1.L12@66.462,63.607 66.462,63.601 66.862,63.2 66.862,60.927 68.439,59.351 72.955,59.351 73.277,59.03 v1(73.355,59.03)
  Bottom Layer w0.14: v1(73.355,59.03) 73.355,48.039 P7.6@76.278,45.116
+3V3: 5V.2 20.3 24.3 C14.2 C15.2 C24.2 C33.1 C35.1 C37.2 C38.2 C39.2 C40.2 C41.2 C42.2 C44.1 C46.2 C48.1 C49.1 C50.1 C51.1 C52.1 C53.1 C54.1 C56.2 R5.1 R7.1 R8.1 R10.1 R22.1 R23.2 R24.1 R26.1 R27.1 U4.1 U4.10 U5.5 U6.15 U7.1 U7.8 U7.22 U7.26 U8.1 U9.7 U9.8 U10.7 U11.1 U11.2 U11.3 U11.5 U11.8 U11.11 U11.12 U12.1 U12.5 U12.6 U12.10 U13.3 U13.6 U14.3 U14.7 U14.8 | length 93.1
  Top Layer w0.1: U7.1@37.626,95.39 U7.1@37.638,95.402
  Top Layer w0.15: v1(37.626,93.907) U7.1@37.626,95.39
  Top Layer w0.2: U14.3@63.688,93.565 U14.3@63.713,93.59 ; v4@65.118,93.59 v4(65.15,93.623) ; v1(98.909,95.031) 99.017,95.031 99.353,94.695 100.021,94.695 U11.12@100.025,94.691 ; U12.5@104.183,66.599 104.199,66.582 104.199,65.725 v1(104.216,65.708) ; U12.6@104.443,67.109 105.225,67.109 v1(105.24,67.094) ; R26.1@104.7,84.735 104.802,84.633 v1(106.501,84.633) ; R27.1@104.726,86.995 104.751,87.02 v1(106.451,87.02)
  Top Layer w0.254: v1(22.123,93.619) C42.2@23.494,93.619 ; R23.2@23.37,88.796 23.37,90.423 v1@23.389,90.442 ; C42.2@23.494,93.519 23.656,93.358 25.776,93.358 25.782,93.363 25.782,94.989 25.602,95.168 v1(25.602,96.137) ; U6.15@48.382,85.696 48.405,85.673 48.8,85.673 49.04,85.673 49.425,85.288 v1(49.425,85.248) ; v1(50.212,85.223) 50.212,84.223 C35.1@50.623,83.812 ; R22.1@50.644,79.413 50.649,79.418 v1(52.361,79.418) ; C33.1@50.736,86.823 51.127,86.432 v1(51.127,85.426) ; U13.3@51.663,26.486 51.663,25.591 52.567,24.687 55.383,24.687 C56.2@55.535,24.84 56.768,24.84 57.124,25.195 57.124,30.504 v1(57.175,30.555) ; U13.6@51.663,29.275 51.663,30.283 v1(52.163,30.783) ; R24.1@84.049,103.757 84.056,103.75 84.998,103.75 85.016,103.732 v1(86.004,103.732) ; v1(90.344,45.802) 91.283,46.74 R8.1@91.283,47.631 ; R10.1@92.77,34.146 92.77,35.603 v1(93.088,35.921) ; U4.10@95.561,39.614 97.533,39.614 97.533,41.383 v1(97.736,41.586) ; U4.1@95.561,44.014 95.561,44.564 96.392,45.396 97.495,45.396 97.495,43.477 v1(97.736,43.237) ; U5.5@97.38,24.151 97.45,24.221 C24.2@99.091,24.221 ; C24.2@99.009,24.206 v1(99.009,25.171) ; R7.1@99.24,47.524 v1(99.24,49.245) ; v1(99.365,96.545) 99.431,96.479 99.431,96.223 100.188,95.466 U11.11@100.188,95.354 ; v1(100.762,96.876) 102.097,96.876 102.122,96.851 101.688,96.417 U11.8@101.688,95.354 C51.1@103.503,95.354 ; R5.1@101.407,34.093 v1(103.324,34.093) ; v1(101.589,68.207) C53.1@101.589,69.528 ; U11.5@101.851,93.691 101.963,93.691 102.597,93.057 103.13,93.057 103.503,92.684 C50.1@103.503,92.634 103.175,92.306 v1(103.175,91.424) ; v1(101.864,74.661) 103.008,74.661 C46.2@103.073,74.725 102.7,75.098 102.7,75.503 102.481,75.721 U10.7@102.481,76.683 ; U12.1@102.923,67.609 102.923,68.165 ; U12.10@103.183,68.119 103.137,68.165 102.923,68.165 ; C54.1@103.255,69.528 C53.1@101.589,69.528 ; C51.1@103.503,95.225 103.876,94.852 103.876,94.247 104.083,94.04 v1@104.083,93.947 ; C53.1@101.589,69.528 101.589,69.478 101.962,69.105 101.983,69.105 102.923,68.165
  Top Layer w0.35: U14.8@56.18,91.018 56.185,91.013 57.526,91.013 v1(57.531,91.008) ; U14.7@56.283,92.288 57.369,92.288 v1(57.379,92.278) ; U14.3@63.713,93.59 v4@65.118,93.59 ; U9.7@85.29,88.57 87.924,88.57 C49.1@88.187,88.307 ; U9.8@85.29,89.84 88.061,89.84 C48.1@88.187,89.967 C49.1@88.187,88.307 ; v1(87.554,87.046) 87.554,87.139 87.814,87.4 87.814,87.934 C49.1@88.187,88.307 ; v1(88.671,86.994) 88.671,87.088 88.56,87.198 88.56,87.934 C49.1@88.187,88.307
  other v1: 23.394,90.442 100.762,91.999 104.083,93.897 35.935,97.249 35.935,98.544 35.935,99.785 35.935,101.242 35.935,102.558
  other v4: 43.916,94.117 45.455,94.117
+3V3T: B1.5 C3.1 C28.1 C29.1 C30.1 C31.1 D1.A D2.A J2.4 L2.2 R16.2 R17.1 TP1.1 U1.E6 U1.E9 U1.F5 U1.F10 U1.J6 U1.J10 U1.K4 U1.K5 U1.N14 U1.P12 U2.8 U3.1 | length 39.6
  Top Layer w0.14: U2.8@55.242,53.794 55.282,53.835 55.282,54.978 v1(55.295,54.99)
  Top Layer w0.15: R17.1@44.761,45.659 44.761,45.698 45.88,46.817 46.005,46.817 v1(46.091,46.903)
  Top Layer w0.25: J2.4@34.572,77.707 38.127,77.707 38.707,77.127 38.707,71.376 v1(39.421,70.663) ; B1.5@41.785,53 B1.5@41.793,53.008
  Top Layer w0.254: D2.A@47.718,64.144 47.819,64.144 47.841,64.167 48.534,64.167 48.929,64.562 v1(48.96,64.562) ; v3(59.667,64.863) 59.695,64.835 59.695,64.775 U1.K4@60.062,64.407 60.062,64.39 v3(60.446,64.005) ; v3(60.442,68.046) 60.442,68.037 60.862,67.617 U1.F5@60.862,67.607 ; v3@60.453,64.005 U1.K5@60.84,64.392 ; U1.K5@60.862,64.407 U1.J6@61.662,65.207 ; v3(61.249,68.807) 61.649,68.407 U1.E6@61.662,68.407 ; v3(63.63,68.814) 63.63,68.805 U1.E9@64.027,68.407 ; U1.E9@64.062,68.407 64.656,67.814 64.656,67.804 64.852,67.607 U1.F10@64.862,67.607 ; v3(64.483,64.835) 64.486,64.835 64.858,65.207 U1.J10@64.862,65.207 ; U1.P12@66.462,61.201 66.462,60.497 v1(67.008,59.951) ; U1.N14@68.062,62.007 69.014,62.007 69.307,61.715 v5(69.346,61.715) ; D1.A@84.911,63.803 85.011,63.903 85.011,64.834 85.43,65.253 v1(85.43,65.301) ; U3.1@85.708,66.817 86.298,66.817 86.487,66.629 86.487,66.524 v1(86.515,66.496) ; C3.1@87.101,64.036 v1(87.101,65.31)
  Top Layer w0.35: v1(44.503,53.248) 44.503,54.735 C28.1@44.504,54.737 ; R16.2@46.782,48.456 46.782,48.203 47.842,47.142 v1(47.904,47.142)
  Top Layer w0.4: TP1.1@42.813,58.644 42.85,58.681 v1(42.85,60.528)
  Top Layer w0.6: B1.5@41.793,53.008 42.864,53.008 v1(42.872,53.016)
  Bottom Layer w0.25: C29.1@59.634,67.556 59.734,67.556 60.196,68.018 60.413,68.018 v3(60.442,68.046)
  Bottom Layer w0.254: v1(53.378,64.142) 54.05,64.142 L2.2@54.24,63.953 ; v3(59.667,64.863) v3@59.674,64.856 ; v3(60.446,64.005) 60.474,64.033 60.474,64.821 C31.1@60.52,64.867 ; v1(69.248,70.203) 69.315,70.137 69.315,70.032 70.318,69.029 C30.1@70.368,69.029
+5V: 5V.1 21.3 27.3 Buzzer1.P C17.1 C22.1 C23.2 C55.2 D4.3 D5.3 D7.1 P7.1 TX.1 U5.3 U13.7 | length 95.5
  Top Layer w0.254: v1(46.736,25.4) 46.736,25.471 46.485,25.722 46.485,31.782 47.19,32.487 49.135,32.487 50.059,31.563 50.109,31.563 50.482,31.19 50.482,31.09 50.855,30.717 50.998,30.717 51.147,30.569 51.147,29.291 U13.7@51.163,29.275 ; v1(101.396,60.235) 102.539,60.235 102.589,60.235 103.014,59.809 D4.3@103.99,59.809 ; v1(101.523,55.948) 102.223,55.948 102.371,55.8 102.539,55.967 102.863,55.644 D5.3@103.99,55.644
  Top Layer w0.35: v1(28.973,30.765) Buzzer1.P@28.973,32.548
  Top Layer w0.5: P7.1@76.278,43.116 84.857,51.695 84.918,51.695 v1(84.938,51.714) ; C23.2@96.11,16.046 U5.3@96.11,18.751 ; C23.2@96.127,16.002 96.133,15.996 96.133,14.763 v1(96.139,14.757)
  Top Layer w0.6: v1(22.511,43.922) D7.1@22.511,45.446
  Bottom Layer w0.254: v1(101.396,60.235) 99.282,62.349 95.122,62.349 v1(101.523,55.948)
  Bottom Layer w0.5: P7.1@76.278,43.116 69.824,36.662 69.824,31.774 70.433,31.164 75.742,31.164 77.538,29.368 77.538,28.803 5V.1@78.04,28.301 ; v1(84.938,51.714) 86.512,53.289 87.621,53.289 91.945,57.613 91.945,61.22 93.074,62.349 95.122,62.349
+5VT: B1.1 C26.1 C27.1 Q2.2 U1.N6 U1.P6 | length 37.7
  Top Layer w0.14: Q2.2@36.318,49.295 C26.1@36.318,52.234 ; C26.1@36.353,52.27 36.792,52.27 37.523,53 B1.1@38.985,53 ; C27.1@38.69,54.703 38.69,53.296 B1.1@38.985,53 ; v1(48.028,56.14) 42.186,56.14 39.575,53.529 39.575,53.175 39.4,53 B1.1@39.285,53 B1.1@38.985,53 ; U1.N6@61.662,62.007 U1.P6@61.662,61.207 61.662,59.128 61.668,59.122 v1(61.668,56.419)
  Bottom Layer w0.14: v1(48.028,56.14) 48.089,56.201 61.617,56.201 61.668,56.252 v1(61.668,56.419)
Antenna: FL1.2 J1.1 | length 6.8
  Top Layer w0.349: FL1.2@46.586,101.896 48.927,101.896 49.903,100.92 J1.1@52.981,100.92
"ARX / 9": U1.A10 U7.3 | length 45.4
  Top Layer w0.14: U7.3@39.052,95.367 39.052,92.569 v1(40.182,91.438) ; v3(63.643,71.197) 63.66,71.213 64.468,71.213 U1.A10@64.862,71.607
  Bottom Layer w0.14: v1(40.182,91.438) 47.751,91.438 48.208,91.896 55.605,91.896 57.832,89.668 57.832,80.22 63.568,74.485 63.568,71.409 63.594,71.383 63.594,71.246 v3(63.643,71.197)
"ATX / 6": U1.D9 U7.2 | length 46.5
  Top Layer w0.14: U7.2@38.338,95.402 38.338,92.418 v1(40.03,90.727) ; v3(63.63,69.595) 63.652,69.595 64.036,69.211 64.062,69.211 U1.D9@64.062,69.207
  Bottom Layer w0.14: v1(40.03,90.727) 48.183,90.727 48.693,91.237 55.171,91.237 57.07,89.338 57.07,80.029 62.994,74.105 62.994,73.686 62.994,70.821 63.379,70.436 63.379,69.927 63.63,69.676 v3(63.63,69.595)
CAN_N: CAN_N.2 D6.2 R13.1 U5.6 | length 42.7
  Top Layer w0.222: CAN_N.2@73.04,12.055 73.277,12.292 73.944,12.292 74.074,12.422 74.074,13.246 75.172,14.344 86.302,14.344 87.2,15.242 87.2,15.564 86.466,16.298 D6.2@86.466,20.115 86.466,20.43 86.655,20.619 87.07,20.619 87.2,20.749 87.2,24.259 92.657,29.717 95.095,29.717 95.694,29.118 95.694,28.624 95.824,28.494 95.929,28.494 96.343,28.08 R13.1@96.343,28.065 96.343,28.05 95.929,27.636 95.824,27.636 95.694,27.506 95.694,26.03 95.691,26.028 95.691,24.92 95.821,24.79 95.896,24.79 96.11,24.576 U5.6@96.11,24.151
CAN_P: CAN_N.1 D6.1 R13.2 U5.7 | length 41
  Top Layer w0.222: CAN_N.1@75.54,12.055 74.907,12.688 74.636,12.688 74.506,12.818 74.506,13.067 75.351,13.912 86.481,13.912 87.632,15.063 87.632,15.564 88.366,16.298 D6.1@88.366,20.115 88.366,20.43 88.177,20.619 87.762,20.619 87.632,20.749 87.632,24.08 92.836,29.285 94.916,29.285 95.262,28.939 95.262,28.624 95.132,28.494 95.027,28.494 94.613,28.08 R13.2@94.613,28.065 94.613,28.05 95.027,27.636 95.132,27.636 95.262,27.506 95.262,26.209 95.259,26.207 95.259,24.92 95.129,24.79 95.054,24.79 94.84,24.576 U5.7@94.84,24.151
CLK: J2.5 U1.J3 | length 30.3
  Top Layer w0.14: J2.5@35.316,78.949 35.281,78.914 35.372,78.822 v1(37.766,78.822) ; v1(40.781,78.839) 41.678,77.942 41.678,76.968 51.564,67.081 55.299,67.081 55.309,67.071 v1(55.309,67.064) ; v3(58.86,65.609) U1.J3@59.262,65.207
  Bottom Layer w0.14: v1(37.766,78.822) 37.775,78.831 40.772,78.831 v1(40.781,78.839) ; v1(55.309,67.064) 55.367,67.007 55.545,67.007 55.583,66.969 56.943,65.609 v3(58.86,65.609)
CLK_F: U1.L4 U2.6 | length 10.9
  Top Layer w0.14: U2.6@57.782,53.924 57.782,55.487 58.033,55.739 58.033,59.077 58.86,59.904 58.86,62.237 59.036,62.413 59.574,62.413 59.656,62.495 59.656,62.971 59.654,62.972 59.654,63.206 60.056,63.607 U1.L4@60.062,63.607
CMD: J2.3 U1.J4 | length 29.7
  Top Layer w0.14: J2.3@35.281,76.714 35.357,76.79 35.484,76.663 v1(37.766,76.663) ; v1(43.888,76.714) 52.441,68.161 54.446,68.161 v1(54.488,68.119) ; v3(59.649,65.609) 59.654,65.609 60.056,65.207 U1.J4@60.062,65.207
  Bottom Layer w0.14: v1(37.766,76.663) 37.792,76.688 43.862,76.688 v1(43.888,76.714) ; v1(54.488,68.119) 54.492,68.123 54.812,68.123 55.371,67.565 55.612,67.565 57.17,66.006 59.252,66.006 v3(59.649,65.609)
"CS_FS / 36": U1.C11 U14.1 | length 30.4
  Top Layer w0.14: v1(58.594,89.363) 59.131,89.9 61.732,89.9 62.847,91.014 U14.1@63.98,91.014 ; U1.C11@65.663,70.007 v3@66.061,70.406
  Bottom Layer w0.14: v1(58.594,89.363) 58.594,80.407 62.338,76.663 65.325,76.663 66.067,75.921 v3@66.067,70.41
  other v3: 66.062,70.406
CS_FT: U1.L3 U2.1 | length 24
  Top Layer w0.14: U2.1@55.244,46.123 55.244,45.423 55.215,45.393 55.213,45.391 54.983,45.161 54.483,45.161 54.254,45.39 54.254,55.372 55.557,56.675 55.557,62.823 56.105,63.371 56.947,63.371 57.104,63.213 58.868,63.213 U1.L3@59.262,63.607
"CS_SX / 10": U1.D7 U6.19 | length 34.1
  Top Layer w0.14: U6.19@47.682,87.896 47.695,87.91 47.757,87.972 v1(47.757,88.79) 47.695,88.728 v1@47.695,88.723 ; v1(55.727,78.581) 55.74,78.593 55.74,79.332 56.34,79.933 v1(56.34,80.875) ; v3(62.062,69.638) 62.462,69.238 U1.D7@62.462,69.207
  Bottom Layer w0.14: v1(47.757,88.79) 47.757,89.169 49.209,90.621 54.771,90.621 56.34,89.052 v1(56.34,80.875) ; v1(55.727,78.581) 60.621,73.686 61.531,72.777 61.531,70.157 62.05,69.638 v3(62.062,69.638)
D10: U1.D10 U3.12 | length 29
  Top Layer w0.14: v1(64.386,74.834) 72.232,74.834 v1(72.746,74.32) ; v3(64.441,69.627) U1.D10@64.862,69.207 ; v1(81.757,66.588) 81.844,66.588 82.073,66.817 U3.12@82.487,66.817
  Bottom Layer w0.14: v1(64.386,74.834) 64.062,74.511 64.062,71.017 64.053,71.008 64.053,70.015 v3(64.441,69.627) ; v1(72.746,74.32) 72.807,74.32 76.567,70.56 76.567,68.367 78.347,66.588 v1(81.757,66.588)
D_N: D10.4 J3.A7 J3.B7 U1.M8 | length 53.8
  Top Layer w0.14: J3.B7@25.83,60.872 25.81,60.892 24.128,60.892 23.84,60.603 23.84,60.048 24.126,59.761 24.919,59.761 24.94,59.782 25.569,59.782 25.608,59.821 26.423,59.821 26.827,59.418 v5(26.827,59.372) ; v1(40.332,57.537) 40.84,58.045 40.84,60.971 D10.4@40.581,61.23 ; v5(62.62,57.996) 62.861,58.238 62.861,62.407 U1.M8@63.262,62.807
  Bottom Layer w0.14: v5(26.827,59.372) 26.893,59.372 27.369,59.848 31.389,59.848 33.008,58.229 38.681,58.229 ; v1(40.332,57.537) 39.373,57.537 38.681,58.229 ; v5(62.62,57.996) 53.973,57.996 53.747,58.222 52.177,58.222 52.17,58.229 38.681,58.229
D_P: D10.3 J3.A6 J3.B6 U1.L8 | length 48.8
  Top Layer w0.14: v3(24.497,59.175) 24.513,59.191 24.813,59.191 24.904,59.282 25.569,59.282 J3.B6@25.608,59.321 ; v3(24.685,60.326) 24.688,60.324 25.605,60.324 25.732,60.451 26.61,60.451 26.763,60.603 v5(26.887,60.603) ; v1(38.681,59.874) D10.3@38.681,61.23 ; v1(53.129,58.925) 54.395,60.191 54.751,60.191 v1(54.839,60.279) ; v3(62.9,63.186) 62.9,63.216 63.262,63.578 U1.L8@63.262,63.607
  Bottom Layer w0.14: v3(24.497,59.175) 24.463,59.209 24.463,59.351 24.428,59.386 24.428,60.021 24.685,60.278 v3(24.685,60.326) ; v5(26.887,60.603) 26.951,60.603 27.384,60.17 31.561,60.17 33.153,58.578 37.385,58.578 ; v1(38.681,59.874) 37.385,58.578 ; v1(53.129,58.925) 52.782,58.578 37.385,58.578 ; v1(54.839,60.279) 54.872,60.279 55.216,59.936 61.756,59.936 62.872,61.051 62.872,63.158 v3(62.9,63.186)
DAT0: J2.7 U1.J1 | length 31.6
  Top Layer w0.14: J2.7@35.281,81.114 35.413,80.981 v1(37.766,80.981) ; v1(39.815,80.987) 39.815,80.97 40.179,80.606 40.179,76.122 50.7,65.806 55.613,65.806 56.202,65.218 57.652,65.218 U1.J1@57.662,65.207
  Bottom Layer w0.14: v1(37.766,80.981) 37.769,80.984 39.813,80.984 v1(39.815,80.987)
DAT0_F: U1.P3 U2.5 | length 7.6
  Top Layer w0.14: U2.5@59.029,54.055 58.945,54.138 58.945,54.388 58.622,54.711 58.622,59.05 59.262,59.689 U1.P3@59.262,61.207
DAT1: J2.8 U1.K1 | length 32.1
  Top Layer w0.14: J2.8@35.408,82.087 37.626,82.087 39.392,80.321 39.392,75.974 50.565,64.801 54.839,64.801 55.233,64.407 U1.K1@57.662,64.407
DAT1_F: U1.N4 U2.2 | length 23.8
  Top Layer w0.14: v1(56.54,44.373) 56.54,45.615 U2.2@56.565,45.64 ; U1.N4@60.062,62.007 60.062,61.963 59.667,61.567 59.667,59.501 59.123,58.958 59.123,55.103 v1(60.576,53.651)
  Bottom Layer w0.14: v1(56.54,44.373) 56.882,44.03 59.499,44.03 60.576,45.107 v1(60.576,53.651)
DAT2: J2.1 U1.H2 | length 26.8
  Top Layer w0.14: J2.1@35.281,74.514 J2.1@35.372,74.606 ; J2.1@35.316,74.427 35.368,74.479 v1(37.766,74.479) ; v1(45.135,74.526) 52.054,67.607 55.583,67.607 55.919,67.607 57.128,66.398 57.496,66.398 57.499,66.401 57.825,66.401 57.828,66.398 58.071,66.398 U1.H2@58.462,66.007
  Bottom Layer w0.14: v1(37.766,74.479) 37.779,74.491 45.1,74.491 v1(45.135,74.526)
DAT2_F: U1.P4 U2.3 | length 23
  Top Layer w0.14: U2.3@57.81,46.004 57.81,44.757 58.872,43.695 60.116,43.695 v1(60.794,44.373) ; U1.P4@60.062,61.207 60.044,61.19 60.044,59.153 59.638,58.748 59.638,55.451 60.315,54.775 60.54,54.775 v1(61.264,54.051)
  Bottom Layer w0.14: v1(60.794,44.373) 61.264,44.843 v1(61.264,54.051)
DAT3: J2.2 U1.J2 | length 27.6
  Top Layer w0.14: J2.2@35.281,75.614 J2.2@35.339,75.672 ; J2.2@35.316,75.527 35.335,75.545 v1(37.766,75.545) ; v1(41.976,75.559) 42.033,75.502 42.033,75.376 50.988,66.421 55.755,66.421 56.012,66.165 56.038,66.138 56.567,65.609 58.06,65.609 U1.J2@58.462,65.207
  Bottom Layer w0.14: v1(37.766,75.545) 37.777,75.556 41.972,75.556 v1(41.976,75.559)
DAT3_F: U1.P5 U2.7 | length 11.3
  Top Layer w0.14: U2.7@56.512,54.108 56.565,54.161 v1(56.565,54.99) ; v1(60.591,55.574) 60.179,55.986 60.179,58.58 60.473,58.874 60.473,60.819 U1.P5@60.862,61.207
  Bottom Layer w0.14: v1(56.565,54.99) 56.848,55.274 60.291,55.274 v1(60.591,55.574)
DCDC: L1.1 U1.M1 U1.M2 | length 37.7
  Top Layer w0.2: v1(55.308,74.072) 57.588,76.352 v1(66.497,76.352) ; v5(56.412,62.769) 56.431,62.788 57.643,62.788 U1.M1@57.662,62.807 U1.M2@58.462,62.807
  Bottom Layer w0.2: v1(55.308,74.072) 51.411,70.175 51.411,63.75 52.392,62.769 v5(56.412,62.769) ; v1(66.497,76.352) 67.16,76.352 67.615,75.898 67.615,71.368 L1.1@67.858,71.124
E14: U1.E14 U3.5 | length 18.7
  Top Layer w0.14: U1.E14@68.062,68.407 79.551,68.407 81.473,70.329 v1(81.963,70.329) ; v1(84.903,70.086) 84.906,70.083 84.906,69.121 U3.5@84.909,69.118
  Bottom Layer w0.14: v1(81.963,70.329) 84.645,70.329 84.887,70.086 v1(84.903,70.086)
F3: U1.F3 U3.15 | length 38.7
  Top Layer w0.14: v1(57.93,72.95) 58.646,73.666 69.897,73.666 70.761,72.802 71.734,72.802 v1(73.072,71.464) ; v3(58.844,68.825) 58.856,68.813 58.856,68.013 U1.F3@59.262,67.607 ; v1(84.047,65.159) 84.408,65.52 U3.15@84.408,66.254
  Bottom Layer w0.14: v1(57.93,72.95) 57.93,69.739 v3(58.844,68.825) ; v1(73.072,71.464) 74.101,71.464 75.082,70.483 75.082,67.87 77.871,65.081 83.835,65.081 83.844,65.09 83.978,65.09 v1(84.047,65.159)
F11: U1.F11 U3.4 | length 26.5
  Top Layer w0.14: U1.F11@65.662,67.607 65.662,67.614 65.656,67.614 65.266,68.003 65.266,69.423 65.457,69.613 66.625,69.613 66.868,69.856 66.868,70.171 67.102,70.405 68.52,70.405 68.916,70.801 v1(80.989,70.801) ; v1(85.275,70.905) 86.595,69.586 86.595,68.776 86.135,68.317 U3.4@85.708,68.317
  Bottom Layer w0.14: v1(80.989,70.801) 81.041,70.853 85.223,70.853 v1(85.275,70.905)
F12: U1.F12 U3.8 | length 18.7
  Top Layer w0.14: U1.F12@66.462,67.607 66.452,67.607 66.059,68.001 66.059,68.558 66.068,68.567 66.068,68.571 66.299,68.801 68.225,68.801 68.227,68.8 79.149,68.8 79.489,69.14 v1(79.527,69.14) ; v1(82.285,69.117) U3.8@83.408,69.117
  Bottom Layer w0.14: v1(79.527,69.14) 79.538,69.128 82.274,69.128 v1(82.285,69.117)
F13: U1.F13 U3.13 | length 17.5
  Top Layer w0.14: U1.F13@67.262,67.607 67.668,68.013 75.804,68.013 75.949,67.869 v1(76.073,67.869) ; v1(81.726,65.77) 83.353,65.77 83.408,65.825 U3.13@83.408,66.017
  Bottom Layer w0.14: v1(76.073,67.869) 78.172,65.77 v1(81.726,65.77)